# Altium PCB PowerAMP_revision.PcbDoc (part 1 of 4) (continued)
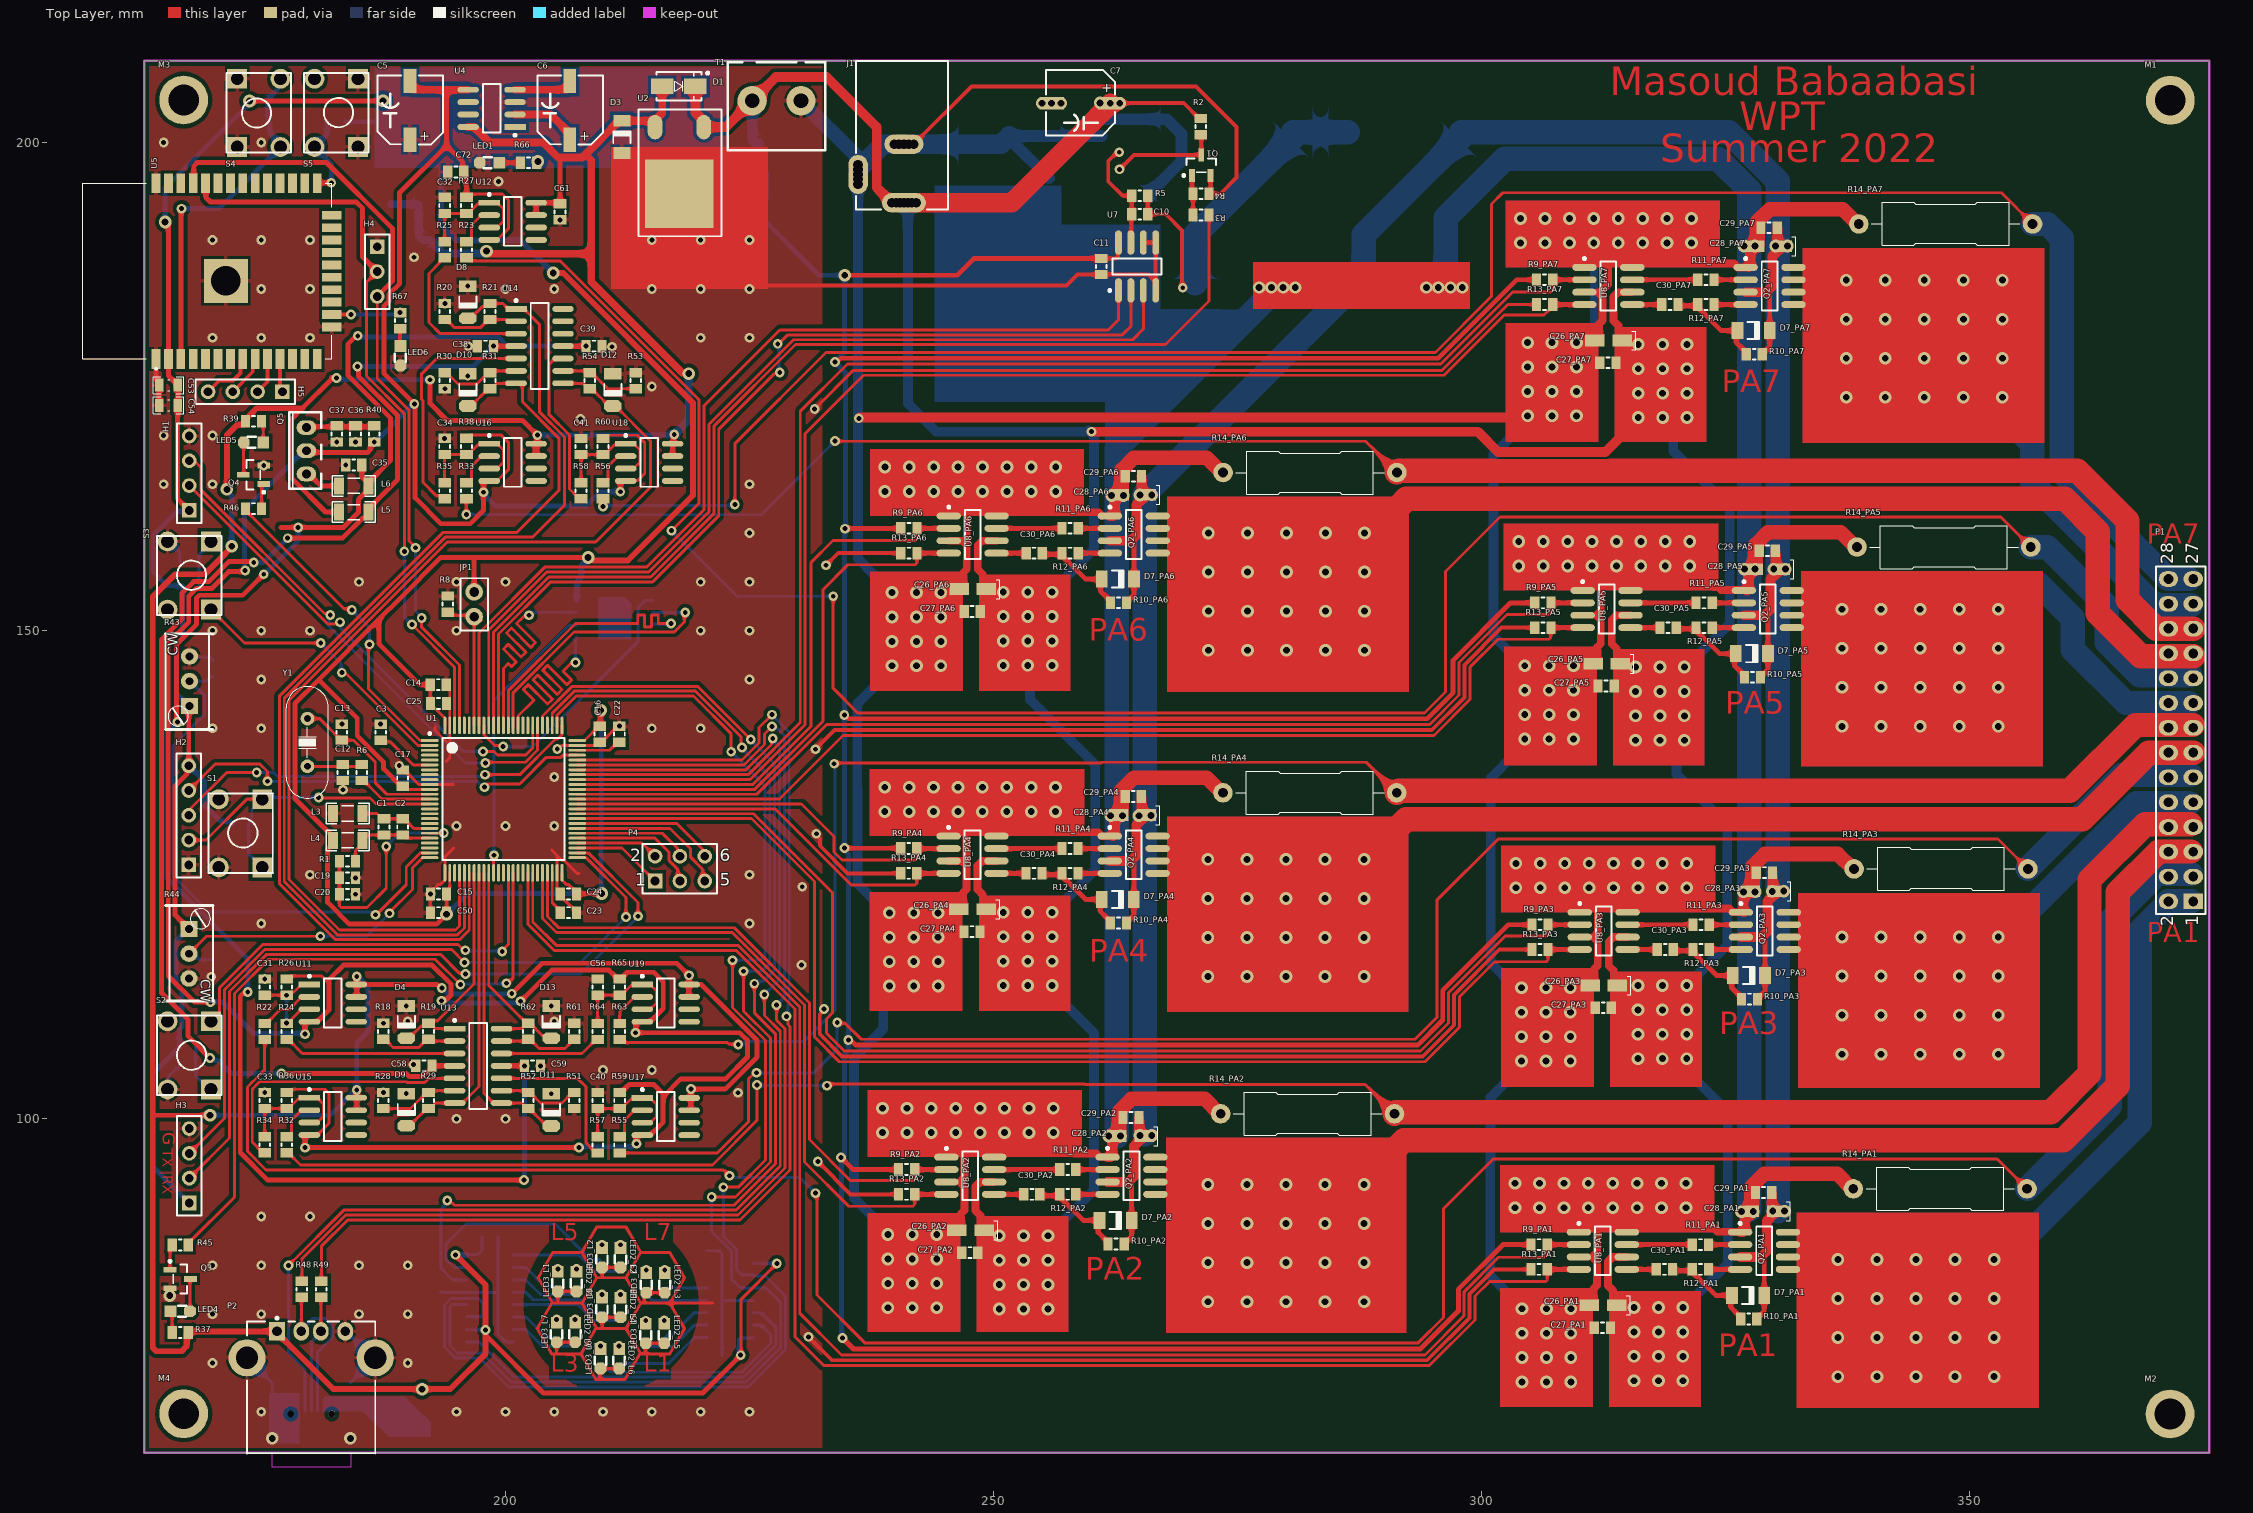
[diagram p0: Top Layer view]
## Components (designator, comment, footprint, x,y, rotation, side; value= is the part's Value field where it differs from the comment) (continued)
C30_PA5 "10nF" SMD_CAP_0805 318.265,150.309 r0 top (schematic designator C30)
C30_PA6 "10nF" SMD_CAP_0805 253.335,157.941 r0 top (schematic designator C30)
C30_PA7 "10nF" SMD_CAP_0805 318.446,183.4 r0 top (schematic designator C30)
C31 "1uF" SMD_CAP_0805 175.35,114.315 r270 top
C32 "1uF" SMD_CAP_0805 193.775,194.385 r270 top
C33 "1uF" SMD_CAP_0805 175.35,102.71 r270 top
C34 "1uF" SMD_CAP_0805 193.775,169.7 r270 top
C35 "10uF" SMD_CAP_0805 183.65,166.975 r0 top
C36 "10uF" SMD_CAP_0805 184.65,169.325 r90 top
C37 "10uF" SMD_CAP_0805 182.725,169.325 r90 top
C38 "100nF" SMD_CAP_0805 197.125,179.145 r0 top
C39 "100nF" SMD_CAP_0805 209.9,179.145 r180 top
C40 "1uF" SMD_CAP_0805 209.45,102.7 r270 top
C41 "1uF" SMD_CAP_0805 207.75,169.69 r270 top
C42 "100nF" SMD_CAP_0805 223.85,75.775 r180 bottom
C43 "100nF" SMD_CAP_0805 166.625,105.625 r0 bottom
C44 "100nF" SMD_CAP_0805 166.95,156.8 r0 bottom
C45 "100nF" SMD_CAP_0805 170.075,146.95 r270 bottom
C46 "100nF" SMD_CAP_0805 169.95,114.65 r90 bottom
C47 "cap 10uF" CAP0805 188.3,194.625 r90 bottom value=10uF
C48 "" "Cap SMD electrolite-6.3mm" 328.775,165.925 r0 bottom value=100uF
C49 "" "Cap SMD electrolite-6.3mm" 264.05,140.45 r0 bottom value=100uF
C50 "100nF" SMD_CAP_0805 193.975,121.125 r180 top
C51 "cap 10uF" CAP0805 204.025,196.675 r270 bottom value=10uF
C52 "cap 100nF" CAP0805 227.45,196.7 r0 bottom value=100nF
C53 "100nF" CAP0805 165.5,175.15 r0 top
C54 "10uF" CAP0805 165.5,173.075 r0 top
C55 "100nF" CAP0805 174.75,202.077 r0 bottom
C56 "1uF" SMD_CAP_0805 209.45,114.315 r270 top
C57 "cap 100nF" "Cap 805" 209.275,155.475 r180 bottom value=100nF
C58 "100nF" SMD_CAP_0805 190.825,105.425 r0 top
C59 "100nF" SMD_CAP_0805 203.6,105.425 r180 top
C60 "100nF" SMD_CAP_0805 213.4,164.275 r180 bottom
C61 "100nF" SMD_CAP_0805 205.6,192.075 r90 top
C62 "100nF" SMD_CAP_0805 199.425,164.125 r180 bottom
C63 "100nF" SMD_CAP_0805 184.825,101.325 r90 bottom
C64 "100nF" SMD_CAP_0805 215.025,108.775 r180 bottom
C65 "100nF" SMD_CAP_0805 203.275,168.375 r90 bottom
C66 "100nF" SMD_CAP_0805 215.125,97.2 r180 bottom
C67 "100nF" SMD_CAP_0805 217.275,168.375 r90 bottom
C68 "100nF" SMD_CAP_0805 181.1,96.925 r180 bottom
C69 "100nF" SMD_CAP_0805 218.95,112.925 r90 bottom
C70 "100nF" SMD_CAP_0805 181.175,108.75 r180 bottom
C71 "100nF" SMD_CAP_0805 184.825,112.825 r90 bottom
C72 "100nF" SMD_CAP_0805 194.1,196.975 r0 top
C73 "100nF" SMD_CAP_0805 219.05,101.475 r90 bottom
D1 "uf4007" DIOM4629X24N 217.764,205.75 r0 top
D2 "uf4007" DIOM4629X24N 193.6,190.025 r180 bottom
D3 "5.1V" "Diode 1n4148 SMD" 211.925,198.925 r90 top locked
D4 "1N4148" LL4148#1 189.85,109.915 r270 top
D5 "uf4007" DIOM4629X24N 227.625,199.95 r180 bottom
D6 "1n5822" "DO214AC SMA" 265.925,192.35 r270 bottom
D7_PA1 "1N4148" LL4148#2 327.28,81.915 r0 top (schematic designator D7)
D7_PA2 "1N4148" LL4148#2 262.49,89.6 r0 top (schematic designator D7)
D7_PA3 "1N4148" LL4148#2 327.361,114.678 r0 top (schematic designator D7)
D7_PA4 "1N4148" LL4148#2 262.718,122.477 r0 top (schematic designator D7)
D7_PA5 "1N4148" LL4148#2 327.662,147.642 r0 top (schematic designator D7)
D7_PA6 "1N4148" LL4148#2 262.732,155.274 r0 top (schematic designator D7)
D7_PA7 "1N4148" LL4148#2 327.843,180.733 r0 top (schematic designator D7)
D8 "1N4148" LL4148#1 196.15,183.635 r270 top
D9 "1N4148" LL4148#1 189.85,100.935 r270 top
D10 "1N4148" LL4148#1 196.15,174.655 r270 top
D11 "1N4148" LL4148#1 204.7,100.925 r270 top
D12 "1N4148" LL4148#1 211,174.655 r270 top
D13 "1N4148" LL4148#1 204.7,109.915 r270 top
D26 "3.3V" "Diode 1n4148 SMD" 199.275,195.025 r90 bottom
D28 "1n5822" "DO214AC SMA" 191.45,70.725 r270 bottom
H1 "USB to TTL" HDR1X4 167.625,162.32 r90 top
H2 "Header 5" HDR1X5 167.575,126.01 r90 top
H3 "USB to TTL" HDR1X4 167.625,91.385 r90 top
H4 "Header 3" HDR1X3 186.875,189.316 r270 top locked
H5 "USB to TTL" HDR1X4 177.165,174.475 r180 top
J1 "Power Jack" "Power Jack" 240.825,208.325 r270 top
JP1 "Jumper" "Jumper Small - 2.54 - GRAY" 196.8,152.7 r270 top
L1 "Inductor" inductor 274.875,201.05 r270 bottom value=100uH
L2 "Inductor" inductor 292.1,201.05 r270 bottom value=100uH
L3 "inductor 10uH" IND1206 183.85,131.273 r0 top value=10uH
L4 "inductor 10uH" IND1206 183.85,128.527 r0 top value=10uH
L5 "inductor 10uH" IND1206 184.475,162.15 r0 top value=10uH
L6 "inductor 10uH" IND1206 184.475,164.825 r0 top value=10uH
LED1 "LED Red" led_0805 198.375,197.925 r180 top
LED2_L1 "LED Red" led_0805 207.275,83.329 r270 top (schematic designator LED2)
LED2_L2 "LED Red" led_0805 211.8,85.779 r270 top (schematic designator LED2)
LED2_L3 "LED Red" led_0805 216.325,83.204 r270 top (schematic designator LED2)
LED2_L4 "LED Red" led_0805 211.8,80.679 r270 top (schematic designator LED2)
LED2_L5 "LED Red" led_0805 216.275,78.029 r270 top (schematic designator LED2)
LED2_L6 "LED Red" led_0805 211.65,75.429 r270 top (schematic designator LED2)
LED2_L7 "LED Red" led_0805 207.15,78.129 r270 top (schematic designator LED2)
LED3_L1 "LED Green" led_0805 205.375,83.329 r270 top (schematic designator LED3)
LED3_L2 "LED Green" led_0805 209.9,85.779 r270 top (schematic designator LED3)
LED3_L3 "LED Green" led_0805 214.425,83.204 r270 top (schematic designator LED3)
LED3_L4 "LED Green" led_0805 209.9,80.679 r270 top (schematic designator LED3)
LED3_L5 "LED Green" led_0805 214.375,78.029 r270 top (schematic designator LED3)
LED3_L6 "LED Green" led_0805 209.75,75.429 r270 top (schematic designator LED3)
LED3_L7 "LED Green" led_0805 205.25,78.129 r270 top (schematic designator LED3)
LED4 "LED RED" led_0805 166.7,80.3 r0 top
LED5 "LED RED" led_0805 174.2,169.275 r180 top
LED6 "LED RED" led_0805 189.25,178.15 r270 top
M1 "Screw" Screw 370.525,204.325 r0 top
M2 "Screw" Screw 370.5,69.775 r0 top
M3 "Screw" Screw 167.05,204.35 r0 top
M4 "Screw" Screw 167.05,69.8 r0 top
P1 "Header 14X2" HDR2X14 372.872,122.271 r90 top locked
P2 "USB Connector" USB2.5-2H4C 180.105,72.745 r270 top
p3 "USB Connector" USB_AB_BM_SHS 180.125,68.675 r0 bottom
P4 "Header 3X2" HDR2X3 215.335,124.36 r0 top
Q1 "C945" SOT23_N 271.275,197.675 r90 top
Q2_PA1 "IRF7307" SO8_M 328.915,86.487 r0 top (schematic designator Q2)
Q2_PA2 "IRF7307" SO8_M 264.125,94.172 r0 top (schematic designator Q2)
Q2_PA3 "IRF7307" SO8_M 328.996,119.25 r0 top (schematic designator Q2)
Q2_PA4 "IRF7307" SO8_M 264.353,127.049 r0 top (schematic designator Q2)
Q2_PA5 "IRF7307" SO8_M 329.297,152.214 r0 top (schematic designator Q2)
Q2_PA6 "IRF7307" SO8_M 264.367,159.846 r0 top (schematic designator Q2)
Q2_PA7 "IRF7307" SO8_M 329.478,185.305 r0 top (schematic designator Q2)
Q3 "C945" SOT23_N 166.7,83.6 r0 top
Q4 "C945" SOT23_N 174.2,165.975 r180 top
Q5 "BD138" SOT-32 181.125,164.55 r90 top
R1 "47R" "RES 0805 (2012X06L)" 183,126.375 r0 top
R2 "10k" "RES 0805 (2012X06L)" 271.225,200.8 r90 top
R3 "10K" "RES 0805 (2012X06L)" 272.075,192.575 r180 top
R4 "47k" "RES 0805 (2012X06L)" 272.075,194.75 r180 top
R5 "10K" "RES 0805 (2012X06L)" 264.15,194.55 r0 top
R6 "120R" "RES 0805 (2012X06L)" 185.3,134.65 r90 top
R7 "10K" "RES 0805 (2012X06L)" 172.05,130.225 r0 bottom
R8 "1K" "RES 0805 (2012X06L)" 194.1,153.55 r270 top
R9_PA1 "68k" "RES 0805 (2012X06L)" 305.055,87.122 r0 top (schematic designator R9)
R9_PA2 "68k" "RES 0805 (2012X06L)" 240.265,94.807 r0 top (schematic designator R9)
R9_PA3 "68k" "RES 0805 (2012X06L)" 305.136,119.885 r0 top (schematic designator R9)
R9_PA4 "68k" "RES 0805 (2012X06L)" 240.493,127.684 r0 top (schematic designator R9)
R9_PA5 "68k" "RES 0805 (2012X06L)" 305.437,152.849 r0 top (schematic designator R9)
R9_PA6 "68k" "RES 0805 (2012X06L)" 240.507,160.481 r0 top (schematic designator R9)
R9_PA7 "68k" "RES 0805 (2012X06L)" 305.618,185.94 r0 top (schematic designator R9)
R10_PA1 "100K" "RES 0805 (2012X06L)" 328.168,79.502 r180 top (schematic designator R10)
R10_PA2 "100K" "RES 0805 (2012X06L)" 263.378,87.187 r180 top (schematic designator R10)
R10_PA3 "100K" "RES 0805 (2012X06L)" 328.249,112.265 r180 top (schematic designator R10)
R10_PA4 "100K" "RES 0805 (2012X06L)" 263.606,120.064 r180 top (schematic designator R10)
R10_PA5 "100K" "RES 0805 (2012X06L)" 328.55,145.229 r180 top (schematic designator R10)
R10_PA6 "100K" "RES 0805 (2012X06L)" 263.62,152.861 r180 top (schematic designator R10)
R10_PA7 "100K" "RES 0805 (2012X06L)" 328.731,178.32 r180 top (schematic designator R10)
R11_PA1 "3.3" "RES 0805 (2012X06L)" 323.215,87.122 r180 top (schematic designator R11)
R11_PA2 "3.3" "RES 0805 (2012X06L)" 258.425,94.807 r180 top (schematic designator R11)
R11_PA3 "3.3" "RES 0805 (2012X06L)" 323.296,119.885 r180 top (schematic designator R11)
R11_PA4 "3.3" "RES 0805 (2012X06L)" 258.653,127.684 r180 top (schematic designator R11)
R11_PA5 "3.3" "RES 0805 (2012X06L)" 323.597,152.849 r180 top (schematic designator R11)
R11_PA6 "3.3" "RES 0805 (2012X06L)" 258.667,160.481 r180 top (schematic designator R11)
R11_PA7 "3.3" "RES 0805 (2012X06L)" 323.778,185.94 r180 top (schematic designator R11)
R12_PA1 "3.3" "RES 0805 (2012X06L)" 323.215,84.582 r180 top (schematic designator R12)
R12_PA2 "3.3" "RES 0805 (2012X06L)" 258.425,92.267 r180 top (schematic designator R12)
R12_PA3 "3.3" "RES 0805 (2012X06L)" 323.296,117.345 r180 top (schematic designator R12)
R12_PA4 "3.3" "RES 0805 (2012X06L)" 258.653,125.144 r180 top (schematic designator R12)
R12_PA5 "3.3" "RES 0805 (2012X06L)" 323.597,150.309 r180 top (schematic designator R12)
R12_PA6 "3.3" "RES 0805 (2012X06L)" 258.667,157.941 r180 top (schematic designator R12)
R12_PA7 "3.3" "RES 0805 (2012X06L)" 323.778,183.4 r180 top (schematic designator R12)
R13_PA1 "68k" "RES 0805 (2012X06L)" 306.705,84.582 r180 top (schematic designator R13)
R13_PA2 "68k" "RES 0805 (2012X06L)" 241.915,92.267 r180 top (schematic designator R13)
R13_PA3 "68k" "RES 0805 (2012X06L)" 306.786,117.345 r180 top (schematic designator R13)
R13_PA4 "68k" "RES 0805 (2012X06L)" 242.143,125.144 r180 top (schematic designator R13)
R13_PA5 "68k" "RES 0805 (2012X06L)" 307.087,150.309 r180 top (schematic designator R13)
R13_PA6 "68k" "RES 0805 (2012X06L)" 242.157,157.941 r180 top (schematic designator R13)
R13_PA7 "68k" "RES 0805 (2012X06L)" 307.268,183.4 r180 top (schematic designator R13)
R14_PA1 "1W" "Axial 1W  7_0mm" 346.955,92.837 r180 top value=0.1R (schematic designator R14)
R14_PA2 "1W" "Axial 1W  7_0mm" 282.165,100.522 r180 top value=0.1R (schematic designator R14)
R14_PA3 "1W" "Axial 1W  7_0mm" 347.036,125.6 r180 top value=0.1R (schematic designator R14)
R14_PA4 "1W" "Axial 1W  7_0mm" 282.393,133.399 r180 top value=0.1R (schematic designator R14)
R14_PA5 "1W" "Axial 1W  7_0mm" 347.337,158.564 r180 top value=0.1R (schematic designator R14)
R14_PA6 "1W" "Axial 1W  7_0mm" 282.407,166.196 r180 top value=0.1R (schematic designator R14)
R14_PA7 "1W" "Axial 1W  7_0mm" 347.518,191.655 r180 top value=0.1R (schematic designator R14)
R15 "Res 330R" RES0805 201.75,196.675 r90 bottom value=330R
R16_L1 "220" "RES 0805 (2012X06L)" 207.275,84.479 r270 bottom (schematic designator R16)
R16_L2 "220" "RES 0805 (2012X06L)" 211.8,86.929 r270 bottom (schematic designator R16)
R16_L3 "220" "RES 0805 (2012X06L)" 216.325,84.354 r270 bottom (schematic designator R16)
R16_L4 "220" "RES 0805 (2012X06L)" 211.8,81.829 r270 bottom (schematic designator R16)
R16_L5 "220" "RES 0805 (2012X06L)" 216.275,79.179 r270 bottom (schematic designator R16)
R16_L6 "220" "RES 0805 (2012X06L)" 211.65,76.579 r270 bottom (schematic designator R16)
R16_L7 "220" "RES 0805 (2012X06L)" 207.15,79.279 r270 bottom (schematic designator R16)
R17_L1 "1K" "RES 0805 (2012X06L)" 205.375,84.479 r270 bottom (schematic designator R17)
R17_L2 "1K" "RES 0805 (2012X06L)" 209.9,86.929 r270 bottom (schematic designator R17)
R17_L3 "1K" "RES 0805 (2012X06L)" 214.425,84.354 r270 bottom (schematic designator R17)
R17_L4 "1K" "RES 0805 (2012X06L)" 209.9,81.829 r270 bottom (schematic designator R17)
R17_L5 "1K" "RES 0805 (2012X06L)" 214.375,79.179 r270 bottom (schematic designator R17)
R17_L6 "1K" "RES 0805 (2012X06L)" 209.75,76.579 r270 bottom (schematic designator R17)
R17_L7 "1K" "RES 0805 (2012X06L)" 205.25,79.279 r270 bottom (schematic designator R17)
R18 "1k" "RES 0805 (2012X06L)" 187.5,108.14 r90 top
R19 "10k" "RES 0805 (2012X06L)" 192.125,109.79 r270 top
R20 "1k" "RES 0805 (2012X06L)" 193.8,181.86 r90 top
R21 "10k" "RES 0805 (2012X06L)" 198.425,183.51 r270 top
R22 "2.2k" "RES 0805 (2012X06L)" 175.35,109.775 r270 top
R23 "2.2k" "RES 0805 (2012X06L)" 196.025,189.845 r270 top
R24 "10k" "RES 0805 (2012X06L)" 177.6,108.125 r90 top
R25 "10k" "RES 0805 (2012X06L)" 193.775,188.195 r90 top
R26 "100k" "RES 0805 (2012X06L)" 177.6,112.665 r90 top
R27 "100k" "RES 0805 (2012X06L)" 196.025,192.735 r90 top
R28 "1k" "RES 0805 (2012X06L)" 187.5,101.05 r90 top
R29 "10k" "RES 0805 (2012X06L)" 192.125,101.06 r90 top
R30 "1k" "RES 0805 (2012X06L)" 193.8,176.43 r270 top
R31 "10k" "RES 0805 (2012X06L)" 198.425,174.78 r90 top
R32 "2.2k" "RES 0805 (2012X06L)" 177.6,98.17 r270 top
R33 "2.2k" "RES 0805 (2012X06L)" 196.025,165.16 r270 top
R34 "10k" "RES 0805 (2012X06L)" 175.35,96.52 r90 top
R35 "10k" "RES 0805 (2012X06L)" 193.775,163.51 r90 top
R36 "100k" "RES 0805 (2012X06L)" 177.6,101.06 r90 top
R37 "1K" "RES 0805 (2012X06L)" 165.875,78.125 r0 top
R38 "100k" "RES 0805 (2012X06L)" 196.025,168.05 r90 top
R39 "1K" "RES 0805 (2012X06L)" 175.025,171.45 r180 top
R40 "2.2k" "RES 0805 (2012X06L)" 186.575,170.975 r270 top
R41 "10K" "RES 0805 (2012X06L)" 166.625,107.525 r0 bottom
R42 "10K" "RES 0805 (2012X06L)" 166.95,154.6 r0 bottom
R43 "RPot" "Multi Turn 02" 167.65,142.285 r180 top value=10K
R44 "RPot" "Multi Turn 02" 167.6,119.455 r0 top value=10K
R45 "10K" "RES 0805 (2012X06L)" 167.525,87.075 r180 top
R46 "10K" "RES 0805 (2012X06L)" 173.375,162.5 r0 top
R47 "10K" RES0805 174.75,204.25 r0 bottom
R48 "330R" "RES 0805 (2012X06L)" 179.15,81.725 r90 top
R49 "330R" "RES 0805 (2012X06L)" 181.15,81.725 r90 top
R50 "10K" RES0805 182.675,202.127 r180 bottom
R51 "1k" "RES 0805 (2012X06L)" 207.05,102.7 r270 top
R52 "10k" "RES 0805 (2012X06L)" 202.35,101.05 r90 top
R53 "1k" "RES 0805 (2012X06L)" 213.35,174.78 r90 top
R54 "10k" "RES 0805 (2012X06L)" 208.65,174.78 r90 top
R55 "2.2k" "RES 0805 (2012X06L)" 211.7,98.16 r270 top
R56 "2.2k" "RES 0805 (2012X06L)" 210,165.16 r270 top
R57 "10k" "RES 0805 (2012X06L)" 209.45,96.51 r90 top
R58 "10k" "RES 0805 (2012X06L)" 207.75,163.51 r90 top
R59 "100k" "RES 0805 (2012X06L)" 211.7,101.05 r90 top
R60 "100k" "RES 0805 (2012X06L)" 210,168.04 r90 top
R61 "1k" "RES 0805 (2012X06L)" 207.05,108.14 r90 top
R62 "10k" "RES 0805 (2012X06L)" 202.35,109.79 r270 top
R63 "2.2k" "RES 0805 (2012X06L)" 211.7,109.775 r270 top
R64 "10k" "RES 0805 (2012X06L)" 209.45,108.125 r90 top
R65 "100k" "RES 0805 (2012X06L)" 211.7,112.665 r90 top
R66 "1K" "RES 0805 (2012X06L)" 201.55,197.93 r0 top
R67 "1K" "RES 0805 (2012X06L)" 189.225,180.925 r90 top
S1 "Switch PB" "Switch - Push to On" 172.875,129.25 r270 top
S2 "Switch PB" "Switch - Push to On" 167.625,106.5 r270 top
S3 "Switch PB" "Switch - Push to On" 167.625,155.65 r270 top
S4 "Switch PB" "Switch - Push to On" 174.75,203.039 r90 top
S5 "Switch PB" "Switch - Push to On" 182.675,203.039 r270 top
T1 "Terminal" "Terminal 1*2_1" 232.768,208.212 r180 top locked
U1 "STM32H7B0_VBT6" LQFP100_N 199.8,132.75 r0 top
U2 "L7805CV" REG-7805-smd 217.825,201.575 r180 top locked
U3 "AMS1117-3.3" SOT223 193.426,196.775 r90 bottom
U4 "LMC7660IM" M08A_N 198.587,203.5 r180 top
U5 "esp 32 wroom d" ESP-WROOM 169.475,186.825 r90 top
U6 "lm2576-adj" 2596 254.675,200.675 r180 bottom
U7 "MCP41xxx" SO8_M 264.7,187.3 r90 top
U8_PA1 "7667" SO8_M 312.405,86.487 r0 top (schematic designator U8)
U8_PA2 "7667" SO8_M 247.615,94.172 r0 top (schematic designator U8)
U8_PA3 "7667" SO8_M 312.486,119.25 r0 top (schematic designator U8)
U8_PA4 "7667" SO8_M 247.843,127.049 r0 top (schematic designator U8)
U8_PA5 "7667" SO8_M 312.787,152.214 r0 top (schematic designator U8)
U8_PA6 "7667" SO8_M 247.857,159.846 r0 top (schematic designator U8)
U8_PA7 "7667" SO8_M 312.968,185.305 r0 top (schematic designator U8)
U9 "MC74VHC595D" 751B-05_N 198.425,81.6 r180 bottom
U10 "MC74VHC595D" 751B-05_N 223.025,82.045 r0 bottom
U11 "LM311D" SO8_N 182.325,111.855 r0 top
U12 "LM311D" SO8_N 200.75,191.925 r0 top
U13 "TL084ACD" SO14_N 197.2,105.425 r0 top
U14 "TL084ACD" SO14_N 203.5,179.145 r0 top
U15 "LM311D" SO8_N 182.325,100.25 r0 top
U16 "LM311D" SO8_N 200.75,167.24 r0 top
U17 "LM311D" SO8_N 216.425,100.24 r0 top
U18 "LM311D" SO8_N 214.725,167.24 r0 top
U19 "LM311D" SO8_N 216.425,111.855 r0 top
U20 "W25Q32" WSON-8x6 211.2,151.25 r180 bottom
Y1 "8Mhz" "CRYSTAL Small" 179.725,138.55 r270 top

## Footprints (in the part's own frame and the unit in brackets; to place one, negate y for a bottom-side part, rotate by r counter-clockwise, add the part's x,y. Pads: shape width x height; smd on the part's side, far side on the other; paste and mask are expansions set on the pad)
751B-05_N [mm] "SOIC, 16-Leads, Body 9.9x3.9mm, Pitch 1.27mm, IPC Medium Density"
  rect 2.2x0.55 smd: 1(-2.4,4.445)
  oval 2.2x0.55 smd: 2(-2.4,3.175) 3(-2.4,1.905) 4(-2.4,0.635) 5(-2.4,-0.635) 6(-2.4,-1.905) 7(-2.4,-3.175) 8(-2.4,-4.445) 9(2.4,-4.445) 10(2.4,-3.175) 11(2.4,-1.905) 12(2.4,-0.635) 13(2.4,0.635) 14(2.4,1.905) 15(2.4,3.175) 16(2.4,4.445)
  silkscreen extent -2.53,-5 0.9,5.42, body extent -2,-5 2,5, height 1.75
2596 [mm]
  rect 4x1.2 smd: 1(-6.4,3.4) 2(-6.4,1.7) 3(-6.4,0) 4(-6.4,-1.7) 5(-6.4,-3.4)
  rect 10.5x11.05 smd: 3(3.048,0)
  silkscreen extent -6.13,-3.35 -3.25,4.67, body extent -2.05,-3.35 4.15,3.35, height 2.38
"Axial 1W  7_0mm" [mm] "Designer Abbas Basereh"
  round 2 hole 1: 1(8.9,0) 2(-8.9,0)
  silkscreen extent -7.6,-2.2 7.6,2.2, body extent -9.26,-2.25 9.27,2.25, height 5.22
CAP0805 [mm] "Chip Capacitor, 2-Leads, Body 2/00x1/25mm, IPC Medium Density DESIGNER:ABBAS BASEREH"
  rect 0.9x1.35 smd: 1(-0.95,0) 2(0.95,0)
  silkscreen extent -1.58,-0.87 1.58,0.87, body extent -1.02,-0.65 1.02,0.65, height 0.5
"Cap 805" [mm]
  rect 0.95x1.3 smd: 1(0,0) 2(1.65,0)
  silkscreen extent 0.67,-0.55 0.97,0.55, body extent -0.19,-0.64 1.84,0.63, height 0.65
"Cap SMD electrolite-6.3mm" [mm]
  rect 2.5x1.3 smd: 1(3.102,0.025) 2(-2.898,0.025)
  silkscreen extent -3.48,-3.3 3.61,3.43, body extent -3.5,-3.22 3.5,3.38, height 7.7
"Cap SMD electrolite-10.3mm" [mm]
  rect 4.8x1.8 smd: 1(4.2,0) 2(-4.2,0)
  silkscreen extent -5.5,-5.5 5.5,5.5, body extent -5.83,-5.1 5.77,5.2, height 10.5
"CAPP 1206 (3216X18L) Size A" [mm] "Chip Capacitor, 2-Leads, Body 3.2x1.6mm, IPC High Density, chip Tantalum"
  rect 1.999x1.199 smd: 1(0,0) 2(2.8,0)
  silkscreen extent -1.38,-0.97 -0.99,0.97, body extent -0.43,-0.9 3.21,0.9, height 1.8
"CRYSTAL Small" [mm] "DESIGNER ABBAS BASEREH"
  round 1.4 hole 0.7: 1(-2.44,0) 2(2.44,0)
  silkscreen extent -5.71,-2.16 5.71,2.16, body extent -5.75,-2.25 5.75,2.25, height 3.61
"Diode 1n4148 SMD" [mm] "Mini MELF SOD-80"
  rect 1.2x1.75 smd: 1(0,0) 2(3.3,0)
  silkscreen extent 1.04,-0.88 2.22,0.87, body extent -0.13,-0.75 3.37,0.75, height 1.55
DIOM4629X24N [mm] "Molded Diode, 2-Leads, Body 4/60x2/90mm, IPC Medium Density-Design:Abbas Basereh"
  rect 2.3x1.6 smd: 1(-1.7,0) 2(1.7,0)
  silkscreen extent -2.3,-1.45 3.08,1.47, body extent -2.5,-1.22 2.5,1.48, height 2.2
"DO214AC SMA" [mm] "Molded Diode, 2-Leads, Body 4.30x2.60mm, IPC Medium Density"
  rect 2.5x1.7 smd: 1(2,0) 2(-2,0)
  silkscreen extent -3.75,-1.65 3.68,1.65, body extent -2.6,-1.37 2.6,1.37, height 2.4
ESP-WROOM [mm]
  rect 2x0.9 smd: 1(-9,5.26) 2(-9,3.99) 3(-9,2.72) 4(-9,1.45) 5(-9,0.18) 6(-9,-1.09) 7(-9,-2.36) 8(-9,-3.63) 9(-9,-4.9) 10(-9,-6.17) 11(-9,-7.44) 12(-9,-8.71) 13(-9,-9.98) 14(-9,-11.25) 25(9,-11.25) 26(9,-9.98) 27(9,-8.71) 28(9,-7.44) 29(9,-6.17) 30(9,-4.9) 31(9,-3.63) 32(9,-2.36) 33(9,-1.09) 34(9,0.18) 35(9,1.45) 36(9,2.72) 37(9,3.99) 38(9,5.26)
  rect 0.9x2 smd: 15(-5.715,-12.75) 16(-4.445,-12.75) 17(-3.175,-12.75) 18(-1.905,-12.75) 19(-0.635,-12.75) 20(0.635,-12.75) 21(1.905,-12.75) 22(3.175,-12.75) 23(4.445,-12.75) 24(5.715,-12.75)
  rect 4.5x4.5 hole 3 mask+0.05: 39(-1,-1.89)
  silkscreen extent -10.1,-12.75 9,12.75, body extent -8.98,-12.75 9.02,12.75, height 3.25
HDR1X3 [mm] "Connector; Header; 3 Position"
  rect 1.5x1.5 hole 0.9: 1(0,0)
  round 1.5 hole 0.9: 2(2.54,0) 3(5.08,0)
  silkscreen extent -1.27,-1.27 6.35,1.27
HDR1X4 [mm] "Connector; Header; 4 Position"
  rect 1.5x1.5 hole 0.9: 1(0,0)
  round 1.5 hole 0.9: 2(2.54,0) 3(5.08,0) 4(7.62,0)
  silkscreen extent -1.27,-1.27 8.89,1.27
HDR1X5 [mm] "Connector; Header; 5 Position"
  rect 1.5x1.5 hole 0.9: 1(0,0)
  round 1.5 hole 0.9: 2(2.54,0) 3(5.08,0) 4(7.62,0) 5(10.16,0)
  silkscreen extent -1.27,-1.27 11.43,1.27
HDR2X3 [mm] "Connector; Header; 3x2 Position"
  rect 1.5x1.5 hole 0.9: 1(0,0)
  round 1.5 hole 0.9: 2(0,2.54) 3(2.54,0) 4(2.54,2.54) 5(5.08,0) 6(5.08,2.54)
  silkscreen extent -1.27,-1.27 6.35,3.81
HDR2X14 [mm] "Connector; Header; 14x2 Position"
  rect 1.6x2 hole 1: 1(0,0)
  oval 1.6x2 hole 1: 2(0,2.54) 3(2.54,0) 4(2.54,2.54) 5(5.08,0) 6(5.08,2.54) 7(7.62,0) 8(7.62,2.54) 9(10.16,0) 10(10.16,2.54) 11(12.7,0) 12(12.7,2.54) 13(15.24,0) 14(15.24,2.54) 15(17.78,0) 16(17.78,2.54) 17(20.32,0) 18(20.32,2.54) 19(22.86,0) 20(22.86,2.54) 21(25.4,0) 22(25.4,2.54) 23(27.94,0) 24(27.94,2.54) 25(30.48,0) 26(30.48,2.54) 27(33.02,0) 28(33.02,2.54)
  silkscreen extent -1.27,-1.27 34.29,3.81
IND1206 [mm] "Chip Inductor, 2-Leads, Body 3/20x1/60mm, IPC Medium Density DESIGNER:ABBAS BASEREH"
  rect 1.04x1.74 smd: 1(-1.51,0) 2(1.51,0)
  silkscreen extent -2.2,-1.05 2.2,1.05, body extent -1.65,-0.85 1.65,0.85, height 0.94
inductor [mm]
  rect 5x4 smd: 1(0,5.8) 2(0,-5.8)
  silkscreen extent -6.1,-6.1 6.1,6.1, body extent -6,-6.17 6,6.17, height 7.5
"Jumper Small - 2.54 - GRAY" [mm]
  round 1.8 hole 1: 1(-1.27,0) 2(1.27,0)
  silkscreen extent -2.67,-1.4 2.67,1.4, body extent -2.54,-1.27 2.54,1.27, height 8.57
led_0805 [mm]
  rect 1.2x1.2 smd: 1(-1,0)
  oct 1.2x1.2 smd: 2(1,0)
  silkscreen extent -0.23,-0.58 0.61,0.56, body extent -1.01,-0.63 1.01,0.62, height 1.1
LL4148#1 [mm] "MELF Diode, 2-Leads, Body 3.5x1.4mm, IPC Medium Density"
  rect 1.2x1.75 smd: 1(-1.65,0)
  oct 1.2x1.75 smd: 2(1.65,0)
  silkscreen extent -0.61,-0.88 0.57,0.87, body extent -1.78,-0.75 1.72,0.75, height 1.55
LL4148#2 [mm] "MELF Diode, 2-Leads, Body 3.5x1.4mm, IPC Medium Density"
  rect 1.2x1.75 smd: 1(-1.65,0) 2(1.65,0)
  silkscreen extent -0.61,-0.87 0.57,0.88, body extent -1.78,-0.75 1.72,0.75, height 1.55
LQFP100_N [mm] "Thin QFP, 100-Leads, Body 14x14mm, Pitch 0.5mm, IPC Medium Density"
  rect 1.8x0.3 smd mask+0.05: 1(-7.55,6)
  oval 1.8x0.3 smd mask+0.05: 2(-7.55,5.5) 3(-7.55,5) 4(-7.55,4.5) 5(-7.55,4) 6(-7.55,3.5) 7(-7.55,3) 8(-7.55,2.5) 9(-7.55,2) 10(-7.55,1.5) 11(-7.55,1) 12(-7.55,0.5) 13(-7.55,0) 14(-7.55,-0.5) 15(-7.55,-1) 16(-7.55,-1.5) 17(-7.55,-2) 18(-7.55,-2.5) 19(-7.55,-3) 20(-7.55,-3.5) 21(-7.55,-4) 22(-7.55,-4.5) 23(-7.55,-5) 24(-7.55,-5.5) 25(-7.55,-6) 51(7.55,-6) 52(7.55,-5.5) 53(7.55,-5) 54(7.55,-4.5) 55(7.55,-4) 56(7.55,-3.5) 57(7.55,-3) 58(7.55,-2.5) 59(7.55,-2) 60(7.55,-1.5) 61(7.55,-1) 62(7.55,-0.5) 63(7.55,0) 64(7.55,0.5) 65(7.55,1) 66(7.55,1.5) 67(7.55,2) 68(7.55,2.5) 69(7.55,3) 70(7.55,3.5) 71(7.55,4) 72(7.55,4.5) 73(7.55,5) 74(7.55,5.5) 75(7.55,6)
  oval 0.3x1.8 smd mask+0.05: 26(-6,-7.55) 27(-5.5,-7.55) 28(-5,-7.55) 29(-4.5,-7.55) 30(-4,-7.55) 31(-3.5,-7.55) 32(-3,-7.55) 33(-2.5,-7.55) 34(-2,-7.55) 35(-1.5,-7.55) 36(-1,-7.55) 37(-0.5,-7.55) 38(0,-7.55) 39(0.5,-7.55) 40(1,-7.55) 41(1.5,-7.55) 42(2,-7.55) 43(2.5,-7.55) 44(3,-7.55) 45(3.5,-7.55) 46(4,-7.55) 47(4.5,-7.55) 48(5,-7.55) 49(5.5,-7.55) 50(6,-7.55) 76(6,7.55) 77(5.5,7.55) 78(5,7.55) 79(4.5,7.55) 80(4,7.55) 81(3.5,7.55) 82(3,7.55) 83(2.5,7.55) 84(2,7.55) 85(1.5,7.55) 86(1,7.55) 87(0.5,7.55) 88(0,7.55) 89(-0.5,7.55) 90(-1,7.55) 91(-1.5,7.55) 92(-2,7.55) 93(-2.5,7.55) 94(-3,7.55) 95(-3.5,7.55) 96(-4,7.55) 97(-4.5,7.55) 98(-5,7.55) 99(-5.5,7.55) 100(-6,7.55)
  silkscreen extent -7.67,-6.25 6.25,6.82, body extent -7,-7 7,7, height 1.6
M08A_N [mm] "SOIC, 8-Leads, Body 4.9x3.9mm, Pitch 1.27mm, IPC Medium Density"
  rect 2.2x0.6 smd: 1(-2.4,1.905)
  oval 2.2x0.6 smd: 2(-2.4,0.635) 3(-2.4,-0.635) 4(-2.4,-1.905) 5(2.4,-1.905) 6(2.4,-0.635) 7(2.4,0.635) 8(2.4,1.905)
  silkscreen extent -2.53,-2.5 0.9,2.88, body extent -2,-2.5 2,2.5, height 1.75
"Multi Turn 02" [mil]
  rect 70x65 hole 31.5: 1(0,0)
  oval 70x65 hole 31.5: 2(0,-200) 3(0,-100)
  silkscreen extent -94,-291 96,94, body extent -73,-285 93,89, height 452
"Power Jack" [mm] "Power Adaptor Jack"
  round 1.5 hole 1: 1(14.5,-1.25) 1(14.5,-0.8) 1(14.5,-0.4) 1(14.5,0.4) 1(14.5,0.8) 1(14.5,1.25) 2(8.5,-1) 2(8.5,1) 2(8.5,-0.5) 2(8.5,0.5) 3(10.6,-4.7) 3(11.1,-4.7) 3(12.1,-4.7) 3(12.6,-4.7)
  oval 2x4.5 hole 1: 1(14.5,0)
  oval 2x4 hole 1: 2(8.5,0)
  oval 4x2 hole 1: 3(11.6,-4.7)
  silkscreen extent 0,-4.9 15.2,4.5, body extent 0,-4.9 15.2,4.5, height 11
REG-7805-smd [mm]
  oval 1.5x2.5 smd: 1(-2.5,0) 3(2.5,0)
  rect 7x7 smd: 2(0,6.825)
  silkscreen extent -4.32,-1.82 4.19,11.18
RES0805 [mm] "Chip Resistor, 2-Leads, Body 2/00x1/25mm, IPC Medium Density DESIGNER:ABBAS BASEREH"
  rect 0.85x1.3 smd: 1(-0.95,0) 2(0.95,0)
  silkscreen extent -1.58,-0.82 1.58,0.82, body extent -1.02,-0.65 1.02,0.65, height 0.5
"RES 0805 (2012X06L)" [mm] "Chip Resistor, 2-Leads, Body 2.0x1.3mm, IPC High Density _ (0.100 W)"
  rect 0.95x1.3 smd: 1(0,0) 2(1.65,0)
  silkscreen extent 0.67,-0.55 0.97,0.55, body extent -0.19,-0.63 1.84,0.64, height 0.6
Screw [mm]
  round 5 hole 3.15 mask+0.1: S(0,0)
SMD_CAP_0805 [mm]
  rect 0.95x1.3 smd: 1(0,0) 2(1.65,0)
  silkscreen extent 0.67,-0.55 0.97,0.55, body extent -0.19,-0.63 1.84,0.63, height 0.65
SO8_M [mm] "SOIC, 8-Leads, Body 4.9x3.9mm, Pitch 1.27mm, IPC Low Density"
  oval 2.5x0.7 smd: 1(-2.45,1.905) 2(-2.45,0.635) 3(-2.45,-0.635) 4(-2.45,-1.905) 5(2.45,-1.905) 6(2.45,-0.635) 7(2.45,0.635) 8(2.45,1.905)
  silkscreen extent -2.57,-2.5 0.8,2.93, body extent -2,-2.5 2,2.5, height 1.75
SO8_N [mm] "SOIC, 8-Leads, Body 4.9x3.9mm, Pitch 1.27mm, IPC Medium Density"
  rect 2.2x0.6 smd: 1(-2.4,1.905)
  oval 2.2x0.6 smd: 2(-2.4,0.635) 3(-2.4,-0.635) 4(-2.4,-1.905) 5(2.4,-1.905) 6(2.4,-0.635) 7(2.4,0.635) 8(2.4,1.905)
  silkscreen extent -2.52,-2.5 0.9,2.88, body extent -1.95,-2.45 1.95,2.45, height 1.75
SO14_N [mm] "SOIC, 14-Leads, Body 8.7x3.9mm, Pitch 1.27mm, IPC Medium Density"
  rect 2.2x0.6 smd: 1(-2.4,3.81)
  oval 2.2x0.6 smd: 2(-2.4,2.54) 3(-2.4,1.27) 4(-2.4,0) 5(-2.4,-1.27) 6(-2.4,-2.54) 7(-2.4,-3.81) 8(2.4,-3.81) 9(2.4,-2.54) 10(2.4,-1.27) 11(2.4,0) 12(2.4,1.27) 13(2.4,2.54) 14(2.4,3.81)
  silkscreen extent -2.52,-4.4 0.9,4.78, body extent -1.95,-4.33 1.95,4.33, height 1.75
SOT23_N [mm] "SOT23, 3-Leads, Body 2.9x1.3mm, Pitch 0.95mm, Lead Span 2.3mm, IPC Medium Density"
  rect 1.3x0.6 smd: 1(-1.05,0.95) 2(-1.05,-0.95) 3(1.05,0)
  silkscreen extent -1.17,-1.5 0.7,1.92, body extent -1.27,-1.5 1.27,1.5, height 1.1
SOT223 [mm] "SOT223, 4-Leads, Body 6.5x3.5mm, Pitch 2.30mm-Designer Abbas Basereh"
  oval 2.2x1 smd: 1(-3.2,2.3) 2(-3.2,0) 3(-3.2,-2.3)
  rect 2.2x3.2 smd: 4(3,0)
  Top Layer pour cut-out: -1.7,3.556 1.7,3.556 1.7,-3.556 -1.7,-3.556
  silkscreen extent -3.02,-3.4 1.9,3.48, body extent -3.5,-3.25 3.5,3.25, height 1.7
SOT-32 [mm]
  oval 1.5x2 hole 0.9: B(6.25,1.5) C(3.875,1.5) E(1.5,1.5)
  silkscreen extent 0,0 7.8,3.25
"Switch - Push to On" [mil]
  rect 80x80 hole 51.18: 1(-137.5,87.5) 1(137.5,87.5)
  round 80 hole 51.18: 2(-137.5,-87.5) 2(137.5,-87.5)
  silkscreen extent -160,-130 160,130, body extent -155,-121 157,123, height 205
"Terminal 1*2_1" [mm]
  round 3 hole 1.5: 1(2.493,3.937) 2(7.493,3.937)
  silkscreen extent 0,0 10,9
USB2.5-2H4C [mm] "Connector; USB1.1, Type A, Thru-Hole; 4 Position; Right Angle DESIGNER ABBAS BASEREH"
  rect 1.9x1.6 hole 1: 1(-5.49,-3.5)
  oval 1.9x1.6 hole 1: 2(-5.49,-1) 3(-5.49,1) 4(-5.49,3.5)
  round 3.8 hole 2.3: 4(-2.78,6.57) 4(-2.78,-6.57)
  silkscreen extent -6.96,-6.57 7,6.57, body extent -6.9,-7.9 7.6,7.9, height 7.35
USB_AB_BM_SHS [mm] "USB Micro AB - Standard (Bottom mount), Shell SMT DESIGNER ABBAS BASEREH"
  oval 0.4x3 smd mask+0.05: 1(1.3,-1.4) 2(0.65,-1.4) 3(0,-1.4) 4(-0.65,-1.4) 5(-1.3,-1.4)
  rect 2x1.8 smd mask+0.05: 5(-4,1.4) 5(4,1.4)
  round 0 hole 0.7 mask+0.05: H(-2.1,-1.1)
  round 0.7 hole 0.7 mask+0.05: H(2.1,-1.1)
  Keep-Out Layer board cut-out: -4.064,2.9 -4.064,4.291 4.064,4.291 4.064,2.9
  silkscreen extent -3.8,-1.47 3.8,2.9, body extent -4,-1.78 4,4.26, height 2.75
WSON-8x6 [mm]
  oct 1.3x0.5 smd: 1(-3.895,1.905)
  rect 1.3x0.5 smd: 2(-3.895,0.635) 3(-3.895,-0.635) 4(-3.895,-1.905) 5(3.895,-1.905) 6(3.895,-0.635) 7(3.895,0.635) 8(3.895,1.905)
  rect 3x3 smd paste-3: 9(0,0)
  Top Layer region: 1.675,2.15 1.675,-2.15 -1.675,-2.15 -1.7,-2.125 -1.7,1.55 -1.1,2.15
  silkscreen extent -4.6,-3 4,3, body extent -4,-3 4,3, height 0.75

## Part data
C1 C2 C3 C19 C25 C50: library part Cap
C4 C10 C11 C27_PA1 C27_PA2 C27_PA3 C27_PA4 C27_PA5 C27_PA6 C27_PA7 C29_PA1 C29_PA2 C29_PA3 C29_PA4 C29_PA5 C29_PA6 C29_PA7 C30_PA1 C30_PA2 C30_PA3 C30_PA4 C30_PA5 C30_PA6 C30_PA7 C31 C32 C33 C34 C35 C36 C37 C38 C39 C40 C41 C42 C56 C58 C59 C60 C61 C62 C63 C64 C65 C66 C67 C68 C69 C70 C71 C72 C73: library part "Cap ceramic", "CAP-100Nf"
C5 C6: library part Cap-Polar, "Polar Capacitor", Voltage=16V, Adding Date=1387/12/20, Designer="Saeid Jorablo", Organazation=ControTec
C7 C8 C9 C48 C49: library part "Cap Pol1", "Polarized Capacitor (Radial)", LatestRevisionDate=17-Jul-2002, LatestRevisionNote="Re-released for DXP Platform.", PackageDescription="Polarized Capacitor (Radial); 2 Leads", PackageReference=RB7.6-15, Published=8-Jun-2000, Publisher="Altium Limited"
C12 C13 C14 C15 C16 C17 C18 C20 C24 C43 C44 C45 C46 C57: library part Cap, "Capacitor", LatestRevisionDate=17-Jul-2002, LatestRevisionNote="Re-released for DXP Platform.", PackageDescription="Radial Cap, Thru-Hole; 2 Leads; 0.3 in Pin Spacing", PackageReference=RAD-0.3, Published=8-Jun-2000, Publisher="Altium Limited"
C21 C47 C51: library part "Cap Pol1", "CAP seramic", LatestRevisionDate=17-Jul-2002, LatestRevisionNote="Re-released for DXP Platform.", PackageDescription="Polarized Capacitor (Radial); 2 Leads", PackageReference=RB7.6-15, Published=8-Jun-2000, Publisher="Altium Limited"
C22 C23 C26_PA1 C26_PA2 C26_PA3 C26_PA4 C26_PA5 C26_PA6 C26_PA7 C28_PA1 C28_PA2 C28_PA3 C28_PA4 C28_PA5 C28_PA6 C28_PA7: library part "Cap Pol"
C52: library part "Cap ceramic", "CAP seramic"
C53 C54 C55: library part Cap, "CAP SMD 0805", LatestRevisionDate=17-Jul-2002, LatestRevisionNote="Re-released for DXP Platform.", PackageDescription="Radial Cap, Thru-Hole; 2 Leads; 0.3 in Pin Spacing", PackageReference=RAD-0.3, Published=8-Jun-2000, Publisher="Altium Limited"
D1 D2 D5: library part "1n4007 SMD M7", "Standard Rectifiers", Manufacturer="DC COMPONENTS", Data=16-12-2016, Designer="Abbas Basereh", Link=http://www.tme.eu/en/details/m7/smd-universal-diodes/dc-components/, Part. No=M7
D3 D26: library part "D Zener", "Zener Diode", LatestRevisionDate=17-Jul-2002, LatestRevisionNote="Re-released for DXP Platform.", PackageDescription="Diode, Thru-Hole; 2 Leads; 0.7 in Pin Spacing", PackageReference=DIODE-0.7, Published=8-Jun-2000, Publisher="Altium Limited"
D4 D7_PA1 D7_PA2 D7_PA3 D7_PA4 D7_PA5 D7_PA6 D7_PA7 D8 D9 D10 D11 D12 D13: library part "Diode 1N4148", "High Conductance Fast Diode", Code_JEDEC=DO-204-AH, ComponentLink1Description="Manufacturer Link", ComponentLink1URL=http://www.fairchildsemi.com/, ComponentLink2Description=Datasheet, ComponentLink2URL=http://www.fairchildsemi.com/ds/1N%2F1N4148.pdf, DatasheetVersion=1997, LatestRevisionDate=17-Jul-2002, LatestRevisionNote="Re-released for DXP Platform.", PackageDescription="Diode, Axial; Body 3.8 x 1.9 mm (LxDia. max), Lead Dia. 0.53 mm (max)", PackageReference=DO-35, Published=8-Jun-2000, Publisher="Altium Limited"
D6 D28: library part "Diode 1N4007", "1 Amp General Purpose Rectifier", Code_JEDEC=DO-204-AL, ComponentLink1Description="Manufacturer Link", ComponentLink1URL=http://www.fairchildsemi.com/, ComponentLink2Description=Datasheet, ComponentLink2URL=http://www.fairchildsemi.com/ds/1N%2F1N4001.pdf, DatasheetVersion=1998, LatestRevisionDate=17-Jul-2002, LatestRevisionNote="Re-released for DXP Platform.", PackageDescription="Diode, Axial; Body 5.2 x 2.7 mm (LxDia. max), Lead Dia. 0.86 mm (max)", PackageReference=DO-41, PackageVersion=Aug-1999, Published=8-Jun-2000, Publisher="Altium Limited"
H1 H3 H5: library part H-1x4
H2: "Header, 5-Pin", LatestRevisionDate=17-Jul-2002, LatestRevisionNote="Re-released for DXP Platform.", Publisher="Altium Limited"
H4: "Header, 3-Pin", LatestRevisionDate=17-Jul-2002, LatestRevisionNote="Re-released for DXP Platform.", Publisher="Altium Limited"
L1: "SMD Inductor", Code_IEC=1005, Code_JEITA=0402, LatestRevisionDate=29-May-2009, LatestRevisionNote="IPC-7351 Footprint Added.", PackageDescription="Chip Inductor", PackageReference=0402-A, Published=8-Jun-2000, Publisher="Altium Limited"
L3 L4 L5 L6: library part Inductor, "Inductor", Code_IEC=1005, Code_JEITA=0402, LatestRevisionDate=29-May-2009, LatestRevisionNote="IPC-7351 Footprint Added.", PackageDescription="Chip Inductor", PackageReference=0402-A, Published=8-Jun-2000, Publisher="Altium Limited"
LED1 LED2_L1 LED2_L2 LED2_L3 LED2_L4 LED2_L5 LED2_L6 LED2_L7 LED3_L1 LED3_L2 LED3_L3 LED3_L4 LED3_L5 LED3_L6 LED3_L7 LED4 LED5 LED6: library part "LED 5MM", "Light Emitting Diode", Data=16-12-2016, Designer="Abbas Basereh"
M1 M2 M3 M4: library part "Board Screw", "Board Screw With Spacer"
P1: "Header, 14-Pin, Dual row", LatestRevisionDate=17-Jul-2002, LatestRevisionNote="Re-released for DXP Platform.", Publisher="Altium Limited"
P2: library part "USB A-Type", "USB Connector-A Type"
p3: library part "USB MICRO", "USB Connector MICRO-B Type", Max Current=1600mA, Category=Connector, ComponentLink1Description=Datasheet, ComponentLink2Description=Reference, Designer="ABBAS BASEREH", Mounting Technology="Surface Mount\Through-Hole", Pin Count=5-7, Publisher="ABBAS BASEREH", Status=Unreleased, Update=1395-11-17
P4: "Header, 3-Pin, Dual row", LatestRevisionDate=17-Jul-2002, LatestRevisionNote="Re-released for DXP Platform.", Publisher="Altium Limited"
Q1 Q3 Q4: "NPN Silicon Epitaxial Planar Transistor", ComponentLink1Description="Manufacturer Link", ComponentLink1URL=http://www.taitroncomponents.com/, ComponentLink2Description=Datasheet, ComponentLink2URL=http://www.taitroncomponents.com/, DatasheetVersion=2017, LatestRevisionDate=2017, LatestRevisionNote="IPC-7351 Footprint Added.", PackageDescription="3-Pin SOT-23 Package 0.95 mm Pitch, 2.3 mm Lead Span", PackageReference=SOT23, PackageVersion=2017-2-8, Published=2017-2-8, Publisher="Abbas Basereh"
Q2_PA1 Q2_PA2 Q2_PA3 Q2_PA4 Q2_PA5 Q2_PA6 Q2_PA7: library part IRF7106
Q5: "PNP Transistor", De="Seyed Mohsen Ghasemian", E-mail=picpars@gmail.com, web=www.picpars.com
R1 R2 R3 R4 R6 R7 R8 R9_PA1 R9_PA2 R9_PA3 R9_PA4 R9_PA5 R9_PA6 R9_PA7 R10_PA1 R10_PA2 R10_PA3 R10_PA4 R10_PA5 R10_PA6 R10_PA7 R11_PA1 R11_PA2 R11_PA3 R11_PA4 R11_PA5 R11_PA6 R11_PA7 R12_PA1 R12_PA2 R12_PA3 R12_PA4 R12_PA5 R12_PA6 R12_PA7 R13_PA1 R13_PA2 R13_PA3 R13_PA4 R13_PA5 R13_PA6 R13_PA7 R14_PA1 R14_PA2 R14_PA3 R14_PA4 R14_PA5 R14_PA6 R14_PA7 R15 R18 R19 R20 R21 R22 R23 R24 R25 R26 R27 R28 R29 R30 R31 R32 R33 R34 R35 R36 R38 R40 R41 R42 R45 R46 R47 R48 R49 R50 R51 R52 R53 R54 R55 R56 R57 R58 R59 R60 R61 R62 R63 R64 R65: library part Res1, "Resistor", LatestRevisionDate=17-Jul-2002, LatestRevisionNote="Re-released for DXP Platform.", PackageDescription="Axial Device, Thru-Hole; 2 Leads; 0.3 in Pin Spacing", PackageReference=AXIAL-0.3, Published=8-Jun-2000, Publisher="Altium Limited"
R5 R16_L1 R16_L2 R16_L3 R16_L4 R16_L5 R16_L6 R16_L7 R17_L1 R17_L2 R17_L3 R17_L4 R17_L5 R17_L6 R17_L7 R37 R39 R66 R67: library part "RES Axial 0.25W", "RES Axial 0.25W", Data=4-1-2017, Desc.="RES Axial 0.25W", Designer="Abbas Basereh"
R43 R44: "Potentiometer", LatestRevisionDate=17-Jul-2002, LatestRevisionNote="Re-released for DXP Platform.", PackageDescription="Variable Resistor, Thru-Hole; 3 Leads", PackageReference=VR5, Published=8-Jun-2000, Publisher="Altium Limited", Set Position=0.5, Sim Note="Enter the Resistance value and the set point into parameter fields."
S1 S2 S3 S4 S5: "Push Button Switch"
T1: library part "Terminal 1*2", "Terminal 2 Pin 250VAC 16A", ComponentLinkURL=www.picpars.com, Designer="Seyed Mohsen Ghasemain", E-mail=picpars@gmail.com
U1: "STM32H7B0_VBT6 LQPF100"
U2: library part "L7805CV-Linear Voltage Regulator IC Positive 1 Output 5V 1.5A TO-220AB", "Linear Voltage Regulator IC Positive FIXED", Manufacturer=STMicroelectronics, Designer="Abbas Basereh", Link=https://www.aliexpress.com/item/, Part. No=L7805CV
U3: library part AMS1117-x.x, "x.x Volt, 800mA Low-Dropout Linear Regulator, 4-pin SOT-223", Data=16-12-2016, Designer="Ali Hafizi"
U4: "Switched Capacitor Voltage Converter", DigiKeyPartNumber=LMC7660IM-ND, Manufacturer="National Semiconductor", PackageTopMarking=NSZXTT*LMC76*60IM, PowerWise=N, Code_IPC=SOIC127P600-8, Code_JEDEC=MS-012-AA, ComponentLink1Description="LMC7660 Datasheet", ComponentLink1URL=http://www.national.com/ds/LM/LMC7660.pdf, ComponentLink2Description="LMC7660 Web Page", ComponentLink2URL=http://www.national.com/pf/LM/LMC7660.html, ComponentLink3Description="M08A Package Page", ComponentLink3URL=http://www.national.com/packaging/folders/m08a.html, CompType="Switch Caps", DatasheetVersion=Feb-2005, PackageDescription="SOIC Narrow, 4.9 x 3.9 x 1.45mm, 8 Lead, 1.27mm Pitch", PackageReference=M08A, PackageVersion="revL, Sep-2006", PartNumber=LMC7660IM, PinCount=8, Published=4-Dec-2008, Publisher="Altium Limited", RoHS=O
U5: library part ESP32-wroom
U6: library part lm2596
U8_PA1 U8_PA2 U8_PA3 U8_PA4 U8_PA5 U8_PA6 U8_PA7: library part ICL7667
U9 U10: "8-Bit 3-State Shift Register with Output Storage Register", Code_IPC=SOIC127P600-16, Code_JEDEC=MS-012-AC, ComponentAvailability="Not for New Design", ComponentLink1Description="Manufacturer Link", ComponentLink1URL=http://www.onsemi.com/, ComponentLink2Description=Datasheet, ComponentLink2URL=http://www.onsemi.com/pub/Collateral/MC74VHC595-D.PDF, DatasheetVersion=1997, LatestRevisionDate=13-Apr-2006, LatestRevisionNote="IPC-7351 Footprint Added.", PackageDescription="16-Pin Small Outline Integrated Circuit 1.27 mm Pitch", PackageReference=751B-05, PackageVersion=Oct-1999, Published=15-Apr-2002, Publisher="Altium Limited"
U11 U12 U15 U16 U17 U18 U19: "Voltage Comparator", Code_IPC=SOIC127P600-8, Code_JEDEC=MS-012-AA, ComponentLink1Description="Manufacturer Link", ComponentLink1URL=http://www.st.com/, ComponentLink2Description=Datasheet, ComponentLink2URL=http://www.st.com/stonline/products/literature/ds/4848/lm211.pdf, DatasheetVersion=Oct-1997, LatestRevisionDate=13-Apr-2006, LatestRevisionNote="IPC-7351 Footprint Added.", PackageDescription="8-Pin Small Outline Integrated Circuit 1.27 mm Pitch", PackageReference=SO8, PackageVersion=Dec-2002, Published=24-Aug-2001, Publisher="Altium Limited"
U13 U14: "General-Purpose J-FET Quad Operational Amplifier", Code_IPC=SOIC127P600-14, ComponentLink1Description="Manufacturer Link", ComponentLink1URL=http://www.st.com/, ComponentLink2Description=Datasheet, ComponentLink2URL=http://www.st.com/stonline/products/literature/ds/2301/tl084.pdf, DatasheetVersion=Jan-1999, LatestRevisionDate=13-Apr-2006, LatestRevisionNote="IPC-7351 Footprint Added.", PackageDescription="14-Pin Small Outline Integrated Circuit 1.27 mm Pitch", PackageReference=SO14, PackageVersion=Sep-1998, Published=24-Aug-2001, Publisher="Altium Limited"
U20: "NOR flash"
Y1: library part XTAL, "Crystal Oscillator", LatestRevisionDate=17-Jul-2002, LatestRevisionNote="Re-released for DXP Platform.", PackageDescription="Crystal, Thru-Hole; 2 Leads; Body 3.1 x 8.2 mm (Dia.xH)", PackageReference=R38, Published=8-Jun-2000, Publisher="Altium Limited"
J1: Adding Date=10/21/2009, Company=Personal, Designer="Saeid Jorablo", Project Name=Laser
JP1: Company=E.P.I.L, Defualt State=Close, Design Date=2011/11/02
L2: Code_IEC=1005, Code_JEITA=0402, LatestRevisionDate=29-May-2009, LatestRevisionNote="IPC-7351 Footprint Added.", PackageDescription="Chip Inductor", PackageReference=0402-A, Published=8-Jun-2000, Publisher="Altium Limited"

## Via types
v1: diameter 1.3, hole 0.7, Top Layer to Bottom Layer, tented both sides, 464 vias
v2: diameter 1, hole 0.5, Top Layer to Bottom Layer, tented both sides, 264 vias
v3: diameter 1.27, hole 0.7, Top Layer to Bottom Layer, tented both sides, 17 vias